# Altium PCB Prototipo1A.PcbDoc (part 2 of 2)
Units mm, origin at the board's own origin, x right, y up, seen from the top; angles counter-clockwise.
Board outline 128.52 x 74.33 mm, 2 copper layers (Top Layer, Bottom Layer); 128 components, 155 nets, 643 pads, 81 vias.
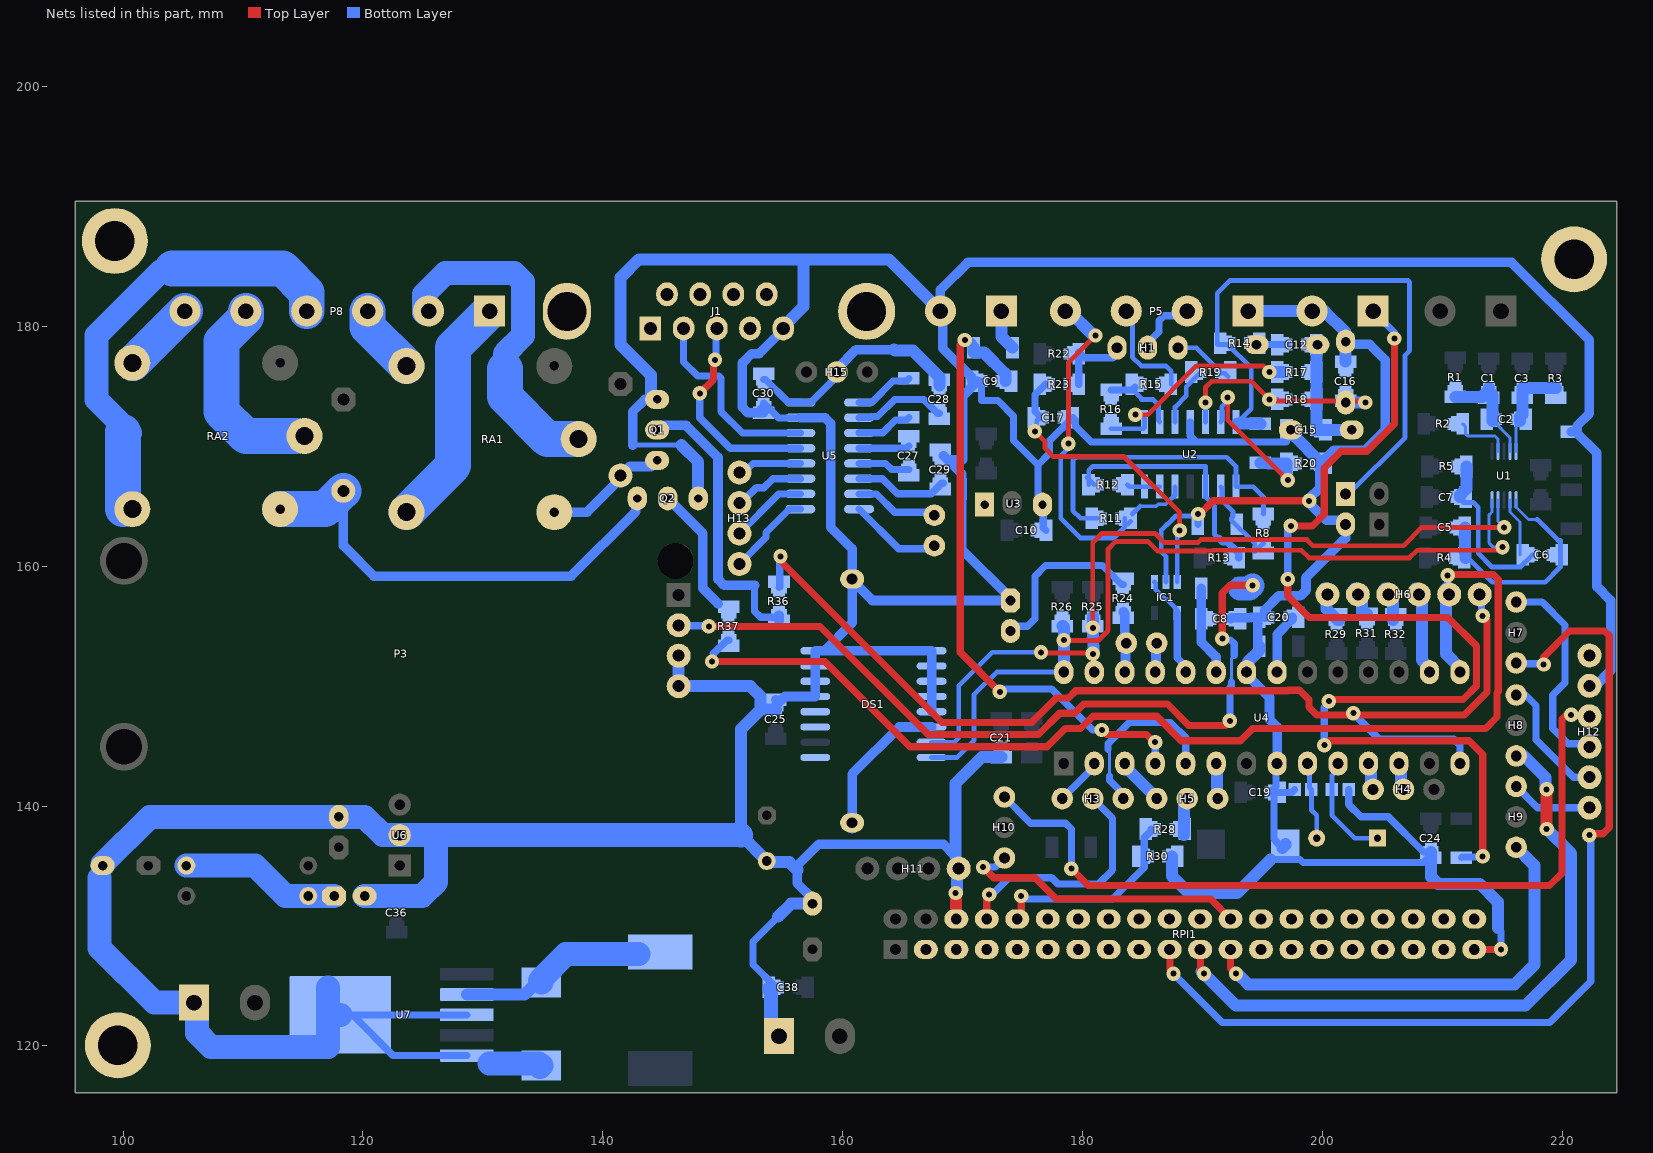
[diagram p2: the nets of this part, all layers, seen from the top]

## Via types
v1: diameter 1.2, hole 0.5, Top Layer to Bottom Layer, 81 vias

## Nets (pads, with @x,y where several pads share a name; then routed paths per layer and width w, separated by ;. In a path a pad name is that pad's centre, name@x,y a point inside that pad or via, vN(x,y) a via of type N, cw(c..) or ccw(c..) an arc to the next point about the centre after c; other vN are vias at no path point) (continued)
GND: C8.1 C9.1 C10.1 C13.2 C14.2 C15.1 C16.1 C17.1 C18.1 C19.2 C20.2 C21.1 C22.1 C23.1 C24.1 C25.1 C29.2 C30.2 C31.2 C33.2 C34.2 C35.2 C36.1@122.809,131.924 C36.1@122.809,132.249 C36.1@122.809,132.724 C36.2@153.67,135.417 C37.2 C38.1 D1.1 DS1.5 DS1.6 DS1.7 DS1.8 DS1.9 DS1.10 DS1.11 DS1.12 DS1.13 H11.4 H12.2 H16.1 H17.1 IC1.2 J1.5 L2.1 LD1.2 P3.3 P3.4 P4.2 P5.1 P6.2 P7.2 PB1.2 Q1.1 Q2.1 R9.2 R20.1 R30.1 RPI1.6 RPI1.39 U2.11 U3.3 U4.8 U4.22 U5.15 U6.2 U7.3 U7.5 U7.6 | length 653.8
  Top Layer w0.6: v1(189.636,164.349) 189.795,164.349 190.891,165.445 v1(198.882,165.445) ; RPI1.39@212.654,128.043 212.658,128.047 214.88,128.047 v1(214.884,128.051)
  Top Layer w1: v1(169.418,132.75) 169.446,132.722 169.446,130.611 RPI1.6@169.474,130.583
  Bottom Layer w0.4: 142.494,170.088 146.558,170.088 ; IC1.2@186.944,158.688 186.944,160.817 186.563,161.198 186.563,163.009 186.982,163.428 186.982,163.433 187.033,163.484 187.086,163.484 187.786,164.184 R9.2@189.159,164.184
  Bottom Layer w0.6: U7.6@118.11,122.59 U7.6@119.135,122.59 ; U7.5@128.66,119.19 122.535,119.19 U7.6@119.135,122.59 ; U7.3@128.66,122.59 U7.6@119.135,122.59 ; C30.2@153.416,173.581 153.441,173.581 154.667,172.355 156.445,172.355 U5.15@156.464,172.374 ; C38.1@154.298,124.502 154.298,121.2 H17.1@154.686,120.812 ; C38.1@154.298,124.876 154.298,125.026 152.527,126.797 152.527,128.687 154.61,130.77 ; C9.1@171.578,175.422 171.578,173.802 172.943,173.802 174.244,172.501 174.244,170.469 176.276,168.437 ; C10.1@176.948,162.976 176.723,163.201 176.723,164.217 176.276,164.664 176.276,168.437 ; C17.1@179.171,172.374 177.228,170.432 177.228,169.39 176.276,168.437 ; C17.1@179.204,172.374 179.404,172.174 179.404,171.659 180.721,170.342 189.485,170.342 ; U2.11@188.976,172.026 188.976,170.851 189.485,170.342 ; R9.2@189.611,163.484 189.611,164.324 v1(189.636,164.349) ; C19.2@195.643,141.132 195.643,141.157 196.131,141.645 196.131,143.461 U4.8@196.215,143.545 ; 195.682,135.544 198.12,135.544 198.374,135.29 208.407,135.29 208.842,135.725 208.842,135.972 C24.1@209.042,136.172 208.414,136.172 205.486,139.1 203.2,139.1 202.184,140.116 C23.1@202.184,141.386 ; C31.2@196.648,136.51 196.14,137.018 196.14,137.068 195.968,137.24 C19.2@195.968,141.132 C19.2@196.443,141.132 197.445,141.132 197.674,141.361 C22.1@197.674,141.386 ; C13.2@197.358,171.358 C15.1@197.003,171.358 197.003,170.342 189.485,170.342 ; 214.63,129.819 214.884,129.565 v1(214.884,128.051)
  Bottom Layer w0.8: 142.494,170.088 142.494,172.882 143.51,173.898 144.488,173.898 Q1.1@144.526,173.898 ; C30.2@153.416,172.781 C30.2@152.941,172.781 ; C30.2@153.416,173.256 C30.2@152.941,172.781 ; C25.1@154.432,148.378 C25.1@154.669,148.616 ; C25.1@154.432,148.853 154.482,148.803 154.857,148.803 155.187,149.133 DS1.5@157.71,149.133 DS1.6@157.71,150.403 DS1.7@157.71,151.673 DS1.8@157.71,152.943 DS1.8@158.46,152.943 ; J1.5@155.044,179.821 155.044,179.721 153.031,177.708 152.4,177.708 151.638,176.946 151.638,173.25 152.107,172.781 C30.2@152.941,172.781 ; U5.15@156.464,172.374 158.535,172.374 159.004,171.905 159.004,163.23 160.782,161.452 PB1.2@160.782,158.92 PB1.2@160.782,158.412 ; C37.2@157.48,131.861 157.48,132.277 156.21,133.547 156.21,134.655 156.21,135.036 157.988,136.814 168.402,136.814 169.418,135.798 169.418,135.036 169.533,134.921 H11.4@169.672,134.782 ; DS1.13@167.41,147.863 167.41,148.22 167.386,148.244 167.41,148.268 DS1.12@167.41,149.133 DS1.11@167.41,150.403 DS1.10@167.41,151.673 DS1.9@167.41,152.943 DS1.8@158.46,152.943 ; C29.2@168.402,169.206 C29.2@168.727,168.881 ; C9.1@170.778,175.422 170.778,175.713 168.326,178.165 168.326,181.086 P4.2@168.148,181.264 168.148,183.042 170.434,185.328 215.773,185.328 222.25,178.851 222.25,172.729 221.226,171.705 221.226,171.33 L2.1@221.101,171.205 ; C9.1@171.253,175.422 169.989,174.158 169.989,168.881 C29.2@168.727,168.881 ; C8.1@192.341,155.61 192.341,155.635 192.416,155.71 194.016,155.71 194.043,155.737 C20.2@194.717,155.737 194.608,155.521 C18.1@194.608,153.242 ; U4.22@193.675,151.165 193.675,150.965 195.58,149.06 195.58,147.228 196.215,146.593 U4.8@196.215,143.545 ; C20.2@195.192,155.737 195.192,156.365 196.342,157.515 198.159,157.515 198.628,157.984 198.628,159.039 201.93,162.341 P6.2@201.93,163.484 201.577,163.837 200.307,163.837 198.882,165.262 v1(198.882,165.445) 198.882,165.628 199.778,166.524 R20.1@199.778,168.564 R20.1@200.253,168.564 200.253,168.989 200.928,169.664 203.538,169.664 205.232,171.358 205.232,177.2 203.93,178.502 202.152,178.502 C14.2@201.93,178.724 ; L2.1@220.726,171.205 L2.1@221.101,171.205 ; H12.2@222.25,150.022 222.758,150.022 224.028,151.292 224.028,157.134 222.869,158.293 222.869,169.437 L2.1@221.101,171.205 ; DS1.8@158.46,152.943 160.782,155.265 PB1.2@160.782,158.412 ; PB1.2@160.782,158.412 161.198,158.412 162.476,157.134 LD1.2@173.99,157.134 173.99,157.334 169.926,161.398 169.926,165.605 169.956,165.635 169.956,167.227 169.926,167.257 169.926,167.682 C29.2@168.727,168.881
  Bottom Layer w1: Q1.1@144.488,173.898 144.018,174.368 144.018,175.93 141.478,178.47 141.478,184.058 143.002,185.582 156.718,185.582 ; P3.3@146.326,152.532 P3.4@146.326,149.992 152.303,149.992 153.162,149.133 153.162,148.053 ; 146.558,170.088 147.955,168.691 Q2.1@147.955,165.643 ; C38.1@153.823,124.876 153.823,124.603 153.924,124.502 153.924,121.574 H17.1@154.298,121.2 ; C25.1@154.432,148.053 153.162,148.053 ; 154.61,130.77 155.701,131.861 C37.2@157.48,131.861 ; J1.5@155.044,179.821 155.044,179.967 156.718,181.641 156.718,185.582 ; 156.21,134.655 155.544,135.321 153.766,135.321 C36.2@153.67,135.417 151.535,137.552 151.535,146.426 153.162,148.053 ; P4.2@168.148,181.264 163.83,185.582 156.718,185.582 ; v1(169.418,132.75) 169.533,132.865 H11.4@169.533,134.921 ; 169.418,135.798 169.418,141.894 171.603,144.079 C21.1@173.228,144.079 ; R30.1@187.433,135.798 187.433,134.166 188.849,132.75 192.888,132.75 195.682,135.544 ; U4.22@193.675,151.165 193.79,151.28 193.79,152.022 194.717,152.949 C18.1@194.717,153.324 ; P5.1@193.802,181.264 P7.2@199.136,181.264 200.152,181.264 201.93,179.486 C14.2@201.93,178.724 C16.1@201.93,177.047 ; C31.2@196.648,136.51 196.902,136.764 C31.2@196.902,136.814 ; C13.2@197.358,171.358 197.396,171.358 197.673,171.081 197.673,170.819 199.778,168.714 R20.1@199.778,168.564 ; C24.1@209.042,136.172 C24.1@209.042,135.697 209.042,134.098 209.628,133.512 213.106,133.512 214.63,131.988 214.63,129.819
  Bottom Layer w2: 98.044,134.02 98.044,128.178 102.616,123.606 H16.1@105.918,123.606 106.168,123.356 106.168,121.095 107.34,119.923 117.085,119.923 U7.6@117.085,122.59 ; C35.2@98.298,135.036 98.298,135.163 102.235,139.1 C34.2@117.983,139.1 120.142,139.1 121.666,137.576 U6.2@123.063,137.576 126.111,137.576 ; U7.6@117.085,124.876 U7.6@117.085,122.59 ; U7.6@118.11,122.59 U7.6@117.085,122.59 ; C33.2@120.142,132.496 124.939,132.496 126.111,133.668 126.111,137.576 ; 130.556,118.526 D1.1@134.62,118.526 ; D1.1@134.747,118.251 D1.1@134.874,118.378 ; 151.535,137.552 151.511,137.576 126.111,137.576
LM2596_OUT: D1.2 L4.1 U7.2 | length 15.8
  Bottom Layer w1: U7.2@128.66,124.29 133.486,124.29 134.474,125.278 D1.2@134.874,125.278
  Bottom Layer w2: D1.2@134.747,125.405 D1.2@134.874,125.278 ; D1.2@134.874,125.603 136.941,127.67 L4.1@142.978,127.67
NetC1_2: C1.2 C2.2 R1.1 U1.4 | length 9.1
  Bottom Layer w0.254: C2.2@214.179,172.12 214.229,172.12 215.638,170.711 U1.4@215.638,169.573
  Bottom Layer w1: R1.1@211.074,174.114 213.282,174.114 C1.2@213.868,174.7 ; C1.2@213.868,174.851 C1.2@213.868,174.7 ; C2.2@214.179,172.12 C2.2@214.179,172.247 214.179,174.27 213.868,174.581 C1.2@213.868,174.7
NetC2_1: C2.1 C3.1 R3.1 U1.5 | length 8.3
  Bottom Layer w0.254: U1.5@216.138,169.573 216.138,171.779 C2.1@216.479,172.12
  Bottom Layer w1: C2.1@216.479,172.12 216.479,172.445 216.662,172.628 C3.1@216.662,174.051 C3.1@216.662,174.526 C3.1@216.662,174.851 R3.1@219.456,174.851
NetC5_2: C5.2 C6.2 R4.1 U1.6 | length 19.5
  Bottom Layer w0.254: U1.6@216.138,165.523 216.138,164.927 217.17,163.895 217.893,163.895
  Bottom Layer w0.4: R4.1@211.937,160.69 212.114,160.69 214.154,158.65 218.559,158.65 219.837,159.928 219.837,162.15 219.638,162.15 217.893,163.895
  Bottom Layer w1: C5.2@211.874,163.222 211.874,161.128 211.937,161.065 R4.1@211.937,160.69
NetC6_1: C6.1 C7.1 R5.1 U1.7 | length 18.9
  Bottom Layer w0.254: U1.7@215.638,165.523 215.638,164.508 216.466,163.68 C6.1@216.466,160.944
  Bottom Layer w0.4: C7.1@211.462,165.762 211.462,165.612 211.762,165.312 212.565,165.312 212.979,164.898 212.979,161.076 214.127,159.928 216.504,159.928 217.495,160.919 C6.1@217.495,160.944
  Bottom Layer w1: C7.1@211.462,165.762 211.462,165.912 212,166.45 R5.1@212,168.31
NetC11_1: C11.1 C12.2 R14.1 | length 2.6
  Bottom Layer w0.6: C11.1@194.474,178.47 C12.2@196.241,178.47 C12.2@196.716,178.47 C12.2@197.041,178.47
NetC11_2: C11.2 C12.1 C13.1 C15.2 R17.2 R18.1 | length 10.1
  Bottom Layer w1: C15.2@199.453,171.358 C15.2@199.491,171.358 ; C12.1@199.491,178.47 R17.2@199.491,176.184 R18.1@199.491,173.898 C15.2@199.491,171.358 ; C13.1@202.438,171.358 C15.2@200.253,171.358 C15.2@199.778,171.358 C15.2@199.491,171.358
NetC14_1: C14.1 C16.2 R18.2 U2.12 | length 19.5
  Top Layer w0.4: v1(190.246,173.644) 190.246,174.914 190.754,175.422 194.042,175.422 v1(195.566,173.898) 195.693,173.771 203.454,173.771 v1(203.581,173.644)
  Bottom Layer w0.4: U2.12@190.246,172.026 v1(190.246,173.644) ; v1(195.566,173.898) R18.2@196.241,173.898
  Bottom Layer w1: C14.1@201.93,173.644 v1(203.581,173.644)
NetC17_2: C17.2 IC1.3 R23.1 | length 25.7
  Top Layer w0.4: v1(176.022,171.231) 176.872,170.381 176.872,169.834 177.57,169.137 183.45,169.137 188.087,164.5 v1(188.087,162.976)
  Bottom Layer w0.4: v1(176.022,171.231) 176.175,171.384 176.175,172.153 C17.2@176.396,172.374 ; IC1.3@187.894,158.688 187.894,162.567 188.087,162.76 v1(188.087,162.976)
  Bottom Layer w0.6: C17.2@176.396,172.374 176.396,172.524 176.022,172.898 176.022,174.286 R23.1@176.904,175.168
NetC20_1: C20.1 U4.21 | length 5.1
  Bottom Layer w0.8: U4.21@196.215,151.165 196.215,154.31 197.392,155.487 197.492,155.587 C20.1@197.492,155.737
NetC22_2: C22.2 U4.9 Y1.2 | length 6.5
  Bottom Layer w0.4: U4.9@198.755,143.545 198.914,143.386 198.914,141.546 C22.2@199.074,141.386 199.074,139.67 199.517,139.227 Y1.2@199.517,137.322
NetC23_2: C23.2 U4.10 Y1.1 | length 9.1
  Bottom Layer w0.4: U4.10@201.295,143.545 201.295,143.047 200.784,142.536 C23.2@200.784,141.386 200.784,139.23 202.692,137.322 Y1.1@204.597,137.322
NetC26_1: C26.1 U5.1 | length 5
  Bottom Layer w0.6: U5.1@161.364,173.644 162.414,173.644 164.195,175.425 165.293,175.425 C26.1@165.518,175.65
NetC26_2: C26.2 U5.3 | length 4.7
  Bottom Layer w0.6: U5.3@161.364,171.104 161.383,171.123 163.341,171.123 164.393,172.175 165.293,172.175 C26.2@165.518,172.4
NetC27_1: C27.1 U5.4 | length 4.2
  Bottom Layer w0.6: U5.4@161.364,169.834 165.303,169.834 165.493,170.024 C27.1@165.518,170.024
NetC27_2: C27.2 U5.5 | length 4.4
  Bottom Layer w0.6: U5.5@161.364,168.564 163.576,168.564 164.084,168.056 165.511,168.056 C27.2@165.518,168.049
NetC28_1: C28.1 U5.2 | length 7.8
  Bottom Layer w0.6: U5.2@161.364,172.374 161.383,172.393 162.354,172.393 162.427,172.466 162.906,172.466 164.338,173.898 166.765,173.898 167.908,172.755 C28.1@168.058,172.755
NetC28_2: C28.2 C30.1 H15.2 U5.16 | length 19.3
  Bottom Layer w0.6: C30.1@153.416,175.556 153.566,175.556 155.459,173.663 156.445,173.663 U5.16@156.464,173.644 157.337,173.644 159.512,175.819 H15.2@159.512,176.184
  Bottom Layer w0.8: H15.2@159.512,176.438 161.12,178.046 164.264,178.046
  Bottom Layer w1: H15.2@159.512,176.184 H15.2@159.512,176.438 ; 164.264,178.046 164.348,177.962 165.862,177.962 168.058,175.766 C28.2@168.058,175.53 C28.2@168.058,175.055
NetC29_1: C29.1 U5.6 | length 7.9
  Bottom Layer w0.6: U5.6@161.364,167.294 163.322,167.294 164.576,166.04 167.386,166.04 168.252,166.906 C29.1@168.402,166.906
NetC33_1: C33.1 R34.2 R35.1 | length 13.4
  Bottom Layer w2: R35.1@105.283,135.036 110.998,135.036 113.538,132.496 R34.2@115.443,132.496 C33.1@117.602,132.496
NetD3_1: D3.1 Q1.3 RA1.2 | length 10.4
  Bottom Layer w0.8: RA1.2@135.953,164.5 138.684,164.5 141.224,167.04 D3.1@141.224,167.548 ; D3.1@141.478,167.548 142.24,168.31 144.018,168.31 Q1.3@144.526,168.818
NetD4_1: D4.1 Q2.3 RA2.2 | length 38.3
  Bottom Layer w0.8: D4.1@118.364,166.278 118.364,161.706 120.904,159.166 137.36,159.166 142.748,164.554 Q2.3@142.748,164.754
  Bottom Layer w3: RA2.2@113.093,164.754 116.84,164.754 D4.1@118.364,166.278
NetDS1_1: DS1.1
NetDS1_3: DS1.3
NetDS1_4: DS1.4
NetH1_2: H1.2 P5.2 | length 5.3
  Bottom Layer w0.6: H1.2@185.42,178.216 185.42,178.595 186.363,179.538 186.363,180.457 186.787,180.881 188.339,180.881 P5.2@188.722,181.264
NetH2_1: H2.1 R24.1 U4.26 | length 5.2
  Bottom Layer w0.8: R24.1@183.388,156.175 183.415,156.175 183.515,156.075 183.515,155.7 183.515,153.705 H2.1@183.642,153.578 183.578,153.515 183.578,151.229 U4.26@183.515,151.165
NetH2_2: H2.2 U4.25 | length 2.5
  Bottom Layer w0.8: U4.25@186.055,151.165 186.118,151.229 186.118,153.515 H2.2@186.182,153.578
NetH4_1: H4.1 U4.11 | length 4.4
  Bottom Layer w0.6: U4.11@203.835,143.545 204.025,143.355 204.025,141.577 H4.1@204.216,141.386
  Bottom Layer w1: U4.11@203.835,143.545 203.835,143.183 204.025,142.993 H4.1@204.025,141.577
NetH4_2: H4.2 U4.12 | length 2.3
  Bottom Layer w1: U4.12@206.375,143.545 206.375,143.183 206.565,142.993 206.565,141.577 H4.2@206.756,141.386
NetH5_2: H5.2 R28.2 | length 3.1
  Bottom Layer w1: R28.2@188.468,137.595 188.468,140.099 188.722,140.353 H5.2@188.722,140.624
NetH6_3: H6.3 U4.16 | length 7.5
  Bottom Layer w1: H6.3@207.772,158.15 208.28,157.642 208.28,152.162 208.915,151.527 U4.16@208.915,151.165
NetH6_4: H6.4 R32.1 | length 2.9
  Bottom Layer w1: H6.4@205.232,158.15 205.232,157.879 205.867,157.244 205.867,155.965 R32.1@205.867,155.49
NetH6_5: H6.5 R31.1 | length 2.8
  Bottom Layer w1: H6.5@202.692,158.15 202.692,157.879 203.308,157.263 203.308,156.053 203.333,156.028 R31.1@203.708,156.028
NetH6_6: H6.6 R29.1 | length 3.3
  Bottom Layer w1: H6.6@200.152,158.15 200.343,157.959 200.343,156.419 201.272,155.49 R29.1@201.422,155.49
NetH12_1: H12.1
NetJ1_1: J1.1
NetJ1_4: J1.4
NetJ1_6: J1.6
NetJ1_7: J1.7
NetJ1_8: J1.8
NetJ1_9: J1.9
NetJ1_10: J1.10
NetJ1_11: J1.11
NetLD1_1: LD1.1 R24.2 | length 14.8
  Bottom Layer w0.6: LD1.1@173.99,154.594 174.381,154.985 175.397,154.985 176.022,155.61 176.022,159.166 176.911,160.055 181.658,160.055 183.238,158.475 R24.2@183.388,158.475
  Bottom Layer w1: LD1.1@173.99,154.594 173.99,154.632 LD1.1@174.267,154.909
NetMH1_1: MH1.1
NetMH2_1: MH2.1
NetMH3_1: MH3.1
NetP3_2: P3.2 R6.2 | length 67.2
  Top Layer w0.6: v1(148.844,154.975) 158.115,154.975 167.132,145.958 176.322,145.958 178.1,147.736 179.324,147.736 180.086,148.498 187.071,148.498 188.849,146.72 191.897,146.72 v1(192.278,147.101) ; v1(191.643,153.959) 191.643,157.769 192.278,158.404 v1(194.183,158.404)
  Bottom Layer w0.254: 192.405,150.32 192.405,152.308 192.64,152.543 ; R6.2@193.395,158.404 v1(194.183,158.404)
  Bottom Layer w0.6: P3.2@146.326,155.072 146.374,155.023 148.795,155.023 v1(148.844,154.975) ; v1(192.278,147.101) 192.278,149.895 192.405,150.022 192.405,150.32 ; 192.336,153.844 192.64,153.54 192.64,152.543
  Bottom Layer w2: R6.2@193.141,158.15 193.929,158.15 v1(194.183,158.404)
NetP4_1: P4.1 R7.2 | length 3.4
  Bottom Layer w1: P4.1@173.228,181.264 173.228,179.142 R7.2@174.154,178.216
NetP5_3: P5.3 R15.1 | length 8.9
  Bottom Layer w0.4: P5.3@183.642,181.264 184.15,180.756 184.15,177.43 184.888,176.692 186.944,176.692 187.395,176.241 R15.1@187.395,175.168
NetP5_4: P5.4 R11.1 U2.5 | length 32.5
  Top Layer w0.4: v1(178.816,170.215) 178.816,176.974 v1(181.072,179.23)
  Bottom Layer w0.3: 184.811,165.008 186.144,165.008 186.308,165.172 186.924,165.172 U2.5@187.414,165.662
  Bottom Layer w0.4: v1(178.816,170.215) v1@178.816,169.834 ; v1@179.07,170.088 v1@178.816,169.834 ; R11.1@183.522,163.992 183.522,163.263 182.6,162.341 179.832,162.341 178.181,163.992 178.181,169.199 v1@178.816,169.834 ; R11.1@183.76,163.501 R11.1@183.997,163.738 ; R11.1@184.15,164.347 184.811,165.008 ; U2.5@187.414,165.662 187.442,165.662 187.706,165.926 U2.5@187.706,166.626
  Bottom Layer w1: P5.4@178.562,181.264 178.876,181.264 180.91,179.23 v1(181.072,179.23)
NetP7_1: P7.1 R33.2 | length 92.1
  Top Layer w0.6: v1(197.104,158.912) 197.104,157.515 198.891,155.728 210.448,155.728 212.852,153.324 212.852,150.022 211.72,148.89 200.671,148.89 v1(200.533,148.752) ; v1(197.358,163.357) 199.164,163.357 200.152,164.345 200.152,168.183 201.549,169.58 203.708,169.58 205.994,171.866 v1(205.994,178.978) ; v1(200.152,145.069) 200.533,145.45 212.217,145.45 213.36,144.307 v1(213.36,135.798)
  Bottom Layer w0.6: v1(197.104,158.912) 197.104,163.103 v1(197.358,163.357) ; v1(200.152,145.069) 200.152,148.209 200.533,148.59 v1(200.533,148.752) ; P7.1@204.216,181.264 205.994,179.486 v1(205.994,178.978) ; R33.2@211.582,135.697 211.632,135.748 213.309,135.748 v1(213.36,135.798)
NetP8_1: P8.1 RA1.3 | length 19.3
  Bottom Layer w3: RA1.3@123.634,164.5 127.508,168.374 127.508,178.216 P8.1@130.302,181.01
NetP8_2: P8.2 RA1.4 | length 28.6
  Bottom Layer w2: P8.2@125.095,181.137 125.095,182.661 126.873,184.439 132.588,184.439 133.35,183.677 133.35,179.232 131.826,177.708 131.826,176.438
  Bottom Layer w3: 131.826,176.438 131.826,174.152 135.382,170.596 RA1.4@137.985,170.596
NetP8_3: P8.3 RA1.5 | length 5.9
  Bottom Layer w3: P8.3@120.396,181.264 120.396,179.931 RA1.5@123.634,176.692
NetP8_4: P8.4 RA2.3 | length 36.8
  Bottom Layer w2: 100.584,171.104 97.79,173.898 97.79,179.232 103.124,184.566
  Bottom Layer w3: RA2.3@100.012,164.754 100.012,171.168 ; 104.14,184.82 113.305,184.82 115.316,182.809 P8.4@115.316,181.264
NetP8_5: P8.5 RA2.4 | length 16.2
  Bottom Layer w3: P8.5@110.236,181.264 110.236,180.756 108.204,178.724 108.204,172.882 110.236,170.85 RA2.4@114.363,170.85
NetP8_6: P8.6 RA2.5 | length 6.1
  Bottom Layer w3: RA2.5@100.838,176.946 P8.6@105.156,181.264
NetQ1_2: Q1.2 R36.1 | length 24.7
  Bottom Layer w0.6: 152.654,158.404 152.654,156.245 153.162,155.737 154.503,155.737 R36.1@154.686,155.92
  Bottom Layer w0.8: Q1.2@144.526,171.358 144.907,171.739 146.939,171.739 149.606,169.072 149.606,158.912 150.114,158.404 152.654,158.404 ; R36.1@154.686,155.445 R36.1@154.686,155.92
NetQ2_2: Q2.2 R37.1 | length 10.7
  Bottom Layer w0.8: Q2.2@145.034,165.262 145.796,165.262 148.336,162.722 148.336,158.15 R37.1@149.606,156.88
NetR2_2: R2.2 U1.2 | length 4.9
  Bottom Layer w0.254: R2.2@211.683,171.866 211.941,171.608 211.941,170.999 212.09,170.85 214.376,170.85 214.638,170.588 U1.2@214.638,169.573
NetR8_1: R8.1 R11.2 U2.1 | length 26.3
  Bottom Layer w0.254: R8.1@194.962,164.347 R8.1@195.072,164.347
  Bottom Layer w0.4: R11.2@181.222,163.992 R11.2@180.747,163.992 179.832,163.992 179.197,164.627 179.197,168.818 179.451,169.072 192.024,169.072 192.786,168.31 U2.1@192.786,166.626 194.216,166.626 195.072,165.77 R8.1@195.072,164.347
NetR8_2: R8.2 R9.1 U2.2 | length 7.9
  Bottom Layer w0.254: R9.1@192.412,163.992 R9.1@192.412,164.142
  Bottom Layer w0.4: U2.2@191.516,166.626 191.616,166.526 191.616,165.496 192.532,164.58 192.532,164.112 192.412,163.992 192.412,163.842 194.348,161.906 194.348,161.198 195.047,161.897 R8.2@195.072,161.897
NetR12_1: R12.1 U2.6 U2.7 | length 2.8
  Bottom Layer w0.4: R12.1@183.743,166.786 183.903,166.626 U2.7@185.166,166.626 U2.6@186.436,166.626
NetR12_2: R12.2 R13.1 U2.3 | length 21
  Bottom Layer w0.4: R12.2@180.34,167.414 R12.2@180.518,167.236 ; R12.2@180.518,166.786 R12.2@180.518,167.236 ; R12.2@180.968,166.786 R12.2@180.518,167.236 ; 191.292,162.351 191.008,162.635 191.008,165.008 190.246,165.77 U2.3@190.246,166.626 190.246,168.31 180.848,168.31 180.518,167.98 R12.2@180.518,167.236
  Bottom Layer w0.6: 191.292,162.351 191.341,162.351 191.662,162.03 192.049,162.03 192.801,161.278 193.014,161.065 R13.1@193.014,160.69
NetR15_2: R15.2 R16.1 U2.9 | length 6.4
  Bottom Layer w0.4: R15.2@184.366,174.914 184.366,174.539 184.892,174.013 184.892,173.898 185.857,173.898 186.336,173.419 186.336,172.126 U2.9@186.436,172.026
  Bottom Layer w0.6: R16.1@182.372,174.698 184.15,174.698 R15.2@184.366,174.914
NetR16_2: R16.2 R17.1 U2.8 | length 18.8
  Top Layer w0.4: v1(184.404,172.628) 185.42,172.628 189.484,176.692 195.058,176.692 v1(195.566,176.184)
  Bottom Layer w0.4: R16.2@182.372,171.448 185.066,171.448 185.166,171.548 U2.8@185.166,172.026 185.166,172.528 185.066,172.628 v1(184.404,172.628)
  Bottom Layer w1: v1(195.566,176.184) R17.1@196.241,176.184 R17.1@196.716,176.184
NetR19_2: R19.2 U2.10 | length 5.1
  Bottom Layer w0.4: U2.10@187.706,172.026 187.706,173.263 188.637,174.194 188.637,174.956 R19.2@189.865,176.184
NetR20_2: R20.2 R21.1 U2.13 | length 14.9
  Top Layer w0.4: v1(192.1,174.08) 192.1,172.171 v1(197.104,167.167)
  Bottom Layer w0.4: U2.13@191.516,172.026 191.616,172.126 191.616,173.271 192.1,173.755 v1(192.1,174.08)
  Bottom Layer w1: R21.1@194.818,168.616 194.843,168.591 195.451,168.591 195.478,168.564 R20.2@197.003,168.564 197.003,167.268 v1(197.104,167.167)
NetRPI1_3: RPI1.3
NetRPI1_5: RPI1.5
NetRPI1_7: RPI1.7
NetRPI1_9: RPI1.9
NetRPI1_11: RPI1.11
NetRPI1_12: RPI1.12
NetRPI1_13: RPI1.13
NetRPI1_14: RPI1.14
NetRPI1_15: RPI1.15
NetRPI1_16: RPI1.16
NetRPI1_17: RPI1.17
NetRPI1_18: RPI1.18
NetRPI1_20: RPI1.20
NetRPI1_22: RPI1.22
NetRPI1_25: RPI1.25
NetRPI1_26: RPI1.26
NetRPI1_27: RPI1.27
NetRPI1_28: RPI1.28
NetRPI1_29: RPI1.29
NetRPI1_30: RPI1.30
NetRPI1_31: RPI1.31
NetRPI1_32: RPI1.32
NetRPI1_33: RPI1.33
NetRPI1_34: RPI1.34
NetRPI1_35: RPI1.35
NetRPI1_36: RPI1.36
NetRPI1_37: RPI1.37
NetRPI1_38: RPI1.38
NetRPI1_40: RPI1.40
NetU3_1: U3.1
PT100-2W-SIMPLE: H1.3 R22.1 R23.2 | length 6.7
  Bottom Layer w0.6: R23.2@179.679,175.168 R22.1@179.679,177.708 179.679,177.851 180.16,177.37 182.542,177.37 182.88,177.708 H1.3@182.88,178.216
PT100-PRECISION: H1.1 R19.1 | length 5.2
  Bottom Layer w0.4: H1.1@187.96,178.216 189.484,178.216 191.614,176.086 191.868,176.086 R19.1@192.145,175.809
PT100_AN_READ: IC1.1 IC1.4 U4.24 | length 8.7
  Bottom Layer w0.4: IC1.1@185.994,158.688 186.094,158.588 186.094,158.021 186.873,157.242 187.015,157.242 187.894,156.363 IC1.4@187.894,156.088
  Bottom Layer w0.6: IC1.4@187.894,156.088 187.894,152.337 188.595,151.636 U4.24@188.595,151.165
RELAY1: H6.1 R36.2 U4.14 | length 90.9
  Top Layer w0.6: v1(154.813,160.817) 154.813,160.436 168.275,146.974 175.768,146.974 177.8,149.006 178.816,149.006 179.421,149.611 197.093,149.611 197.134,149.652 198.09,149.652 198.882,148.86 198.882,148.244 199.528,147.598 211.825,147.598 213.706,149.479 213.706,155.518 v1(213.36,155.864)
  Bottom Layer w0.6: R36.2@154.686,158.22 154.749,158.284 154.749,160.754 v1(154.813,160.817) ; v1(202.565,147.736) 204.724,145.577 210.947,145.577 211.455,145.069 U4.14@211.455,143.545 U4.14@211.646,143.736 ; H6.1@212.852,158.15 H6.1@212.955,158.047 ; H6.1@213.106,157.642 213.245,157.503 213.245,155.979 v1(213.36,155.864)
RELAY2: H6.2 R37.2 U4.15 | length 98.7
  Top Layer w0.6: v1(149.098,152.054) 158.496,152.054 165.608,144.942 177.038,144.942 178.562,146.466 179.832,146.466 180.859,147.493 184.477,147.493 184.488,147.482 186.182,147.482 188.214,145.45 193.167,145.45 194.183,146.466 213.614,146.466 214.56,147.412 214.56,149.444 214.66,149.544 214.66,158.882 214.249,159.293 210.371,159.293 v1(210.439,159.225)
  Bottom Layer w0.6: v1(149.098,152.054) 149.213,152.169 149.213,152.693 150.345,153.825 R37.2@150.495,153.825 ; v1(210.439,159.225) 210.439,157.769 H6.2@210.566,157.642
  Bottom Layer w1: H6.2@210.312,158.15 210.312,152.67 211.455,151.527 U4.15@211.455,151.165
RPI_MISO: H8.1 RPI1.21 | length 55
  Top Layer w0.6: RPI1.21@189.794,128.043 189.83,128.008 189.83,126.308 v1(190.119,126.019)
  Top Layer w1: v1(218.694,138.084) v1(218.694,141.386)
  Bottom Layer w1: v1@189.928,126.21 v1(190.119,126.019) 192.786,123.352 216.916,123.352 220.726,127.162 220.726,136.052 v1(218.694,138.084) ; H8.1@216.154,144.18 216.789,144.18 218.579,142.39 218.579,141.501 v1(218.694,141.386)
RPI_MOSI: H7.1 RPI1.19 | length 79.7
  Top Layer w0.6: RPI1.19@187.254,128.043 187.29,128.008 187.29,126.308 v1(187.579,126.019) ; v1(218.44,151.8) 218.44,152.435 220.604,154.599 223.518,154.599 223.901,154.216 223.901,138.211 223.381,137.691 222.365,137.691 v1(222.25,137.576)
  Bottom Layer w0.6: v1(187.579,126.019) 191.643,121.955 218.948,121.955 222.365,125.372 222.365,137.461 v1(222.25,137.576) ; H7.1@216.154,151.927 216.217,151.864 218.376,151.864 v1(218.44,151.8)
RPI_RESET: H10.1 RPI1.24 | length 24.5
  Top Layer w0.6: v1(171.704,134.909) 172.593,134.02 176.022,134.02 177.8,132.242 190.675,132.242 RPI1.24@192.334,130.583
  Bottom Layer w0.6: v1(171.704,134.909) 172.72,134.909 H10.1@173.482,135.671
RPI_RXD: H3.2 RPI1.8 | length 20.3
  Top Layer w0.6: RPI1.8@172.014,130.583 172.014,132.263 172.212,132.461 v1(172.212,132.623)
  Bottom Layer w0.6: v1@172.339,132.496 173.863,134.02 177.419,134.02 177.927,133.512 181.356,133.512 182.499,134.655 182.499,138.973 H3.2@180.848,140.624
RPI_SCLK: H9.1 RPI1.23 | length 39.2
  Top Layer w0.6: RPI1.23@192.334,128.043 192.334,126.471 v1(192.786,126.019)
  Bottom Layer w0.6: RPI1.23@192.334,128.043 RPI1.23@192.786,127.591
  Bottom Layer w1: v1(192.786,126.019) 192.913,126.019 193.802,125.13 216.027,125.13 217.678,126.781 217.678,135.036 H9.1@216.154,136.56
RPI_TXD: R28.1 R30.2 RPI1.10 | length 16.8
  Top Layer w0.6: RPI1.10@174.554,130.583 174.879,130.908 v1(174.879,132.496)
  Bottom Layer w0.6: v1@174.752,132.623 v1(174.879,132.496) ; v1@175.133,132.242 182.499,132.242 185.133,134.876 R30.2@185.133,135.798 185.133,137.348 185.519,137.734 185.531,137.734 185.731,137.934 R28.1@185.731,138.084
RPM_SENSOR: C9.2 R7.1 U4.4 | length 53.1
  Top Layer w0.6: v1(170.18,178.851) 169.799,178.47 169.799,152.816 v1(173.101,149.514) ; v1(181.61,146.339) 181.991,145.958 185.331,145.958 185.966,145.323 v1(186.055,145.323)
  Bottom Layer w0.6: v1(170.18,178.851) 170.215,178.816 170.679,178.816 170.904,178.591 R7.1@170.904,178.216 ; v1(173.101,149.514) 173.355,149.768 177.419,149.768 180.848,146.339 v1(181.61,146.339) ; U4.4@186.055,143.545 v1(186.055,145.323)
  Bottom Layer w1: R7.1@170.904,178.216 170.904,177.841 170.929,177.816 171.779,177.816 173.553,176.042 C9.2@173.553,175.422
RS232-RXD1: J1.3 U5.13 | length 17.5
  Top Layer w0.6: v1(148.082,174.406) 149.225,175.549 149.225,177.073 v1(149.352,177.2)
  Bottom Layer w0.6: v1(148.082,174.406) 148.082,172.374 150.622,169.834 U5.13@156.464,169.834 ; v1(149.352,177.2) 149.428,177.276 149.428,179.745 J1.3@149.504,179.821
RS232-RXD2: H14.1 U5.8 | length 7.7
  Bottom Layer w0.6: U5.8@161.364,164.754 164.666,161.452 167.386,161.452 H14.1@167.64,161.198
RS232-TXD1: J1.2 U5.14 | length 16.6
  Bottom Layer w0.6: J1.2@146.734,179.821 146.734,177.024 147.912,175.846 149.69,175.846 149.86,175.676 149.86,172.882 151.638,171.104 U5.14@156.464,171.104
RS232-TXD2: H14.2 U5.7 | length 7.2
  Bottom Layer w0.6: U5.7@161.364,166.024 162.814,166.024 164.338,164.5 166.878,164.5 H14.2@167.64,163.738
RXD_HARDWARE: H3.1 U4.2 | length 4
  Bottom Layer w0.6: H3.1@178.308,140.624 178.308,140.628 180.975,143.295 U4.2@180.975,143.545
RXD_SOFTSERIAL_5V: H3.3 U4.5 | length 15
  Bottom Layer w0.254: 182.13,144.711 182.245,144.596 182.245,142.494
  Bottom Layer w0.6: 182.13,144.711 182.13,145.208 183.896,146.974 187.325,146.974 188.595,145.704 U4.5@188.595,143.545 ; 182.245,142.494 182.245,142.146 183.388,141.003 H3.3@183.388,140.624
SCL: DS1.16 R26.1 U1.10 U4.28 | length 70.7
  Top Layer w0.4: v1(178.435,153.832) 178.473,153.794 180.335,153.794 180.373,153.832 180.411,153.794 181.285,153.794 182.118,154.627 182.118,161.419 182.761,162.062 185.445,162.062 186.239,161.268 190.824,161.268 190.881,161.325 198.247,161.325 198.882,160.69 207.25,160.69 207.885,161.325 214.757,161.325 v1(215.011,161.579)
  Bottom Layer w0.254: U1.10@214.138,165.523 214.138,164.516 213.868,164.246 213.868,161.96 214.249,161.579 v1(215.011,161.579) v1@215.011,161.071
  Bottom Layer w0.4: DS1.16@167.41,144.053 169.545,144.053 170.942,145.45 170.942,149.26 172.847,151.165 U4.28@178.435,151.165
  Bottom Layer w1: R26.1@178.308,155.001 178.346,155.001 178.435,154.913 v1(178.435,153.832) 178.435,151.292 178.371,151.229 U4.28@178.435,151.165
SDA: DS1.15 R25.1 U1.9 U4.27 | length 67.3
  Top Layer w0.4: v1(176.53,152.816) 176.593,152.753 180.784,152.753 v1(180.848,152.689) ; v1(180.848,154.848) 180.848,161.96 181.61,162.722 186.055,162.722 186.817,161.96 189.611,161.96 189.865,162.214 198.698,162.214 199.206,161.706 206.756,161.706 208.28,163.23 v1(215.138,163.23)
  Bottom Layer w0.254: U1.9@214.638,165.523 214.638,163.73 v1(215.138,163.23)
  Bottom Layer w0.4: DS1.15@167.41,145.323 169.291,145.323 169.672,145.704 169.672,150.022 172.466,152.816 v1(176.53,152.816)
  Bottom Layer w1: 180.848,153.728 v1(180.848,154.848) R25.1@180.848,155.001 R25.1@180.848,155.476 R25.1@180.848,155.801 ; v1@180.911,152.689 180.911,153.324
temp_out_filtered: P6.1 R14.2 R21.2 U2.14 | length 50.9
  Bottom Layer w0.4: 193.216,172.296 194.056,173.136 194.056,176.525 192.111,178.47 191.224,178.47 191.224,178.597 191.224,182.75 192.278,183.804 207.137,183.804 207.264,183.677 207.264,177.962 206.883,177.581 206.883,170.723 202.184,166.024 P6.1@201.93,166.024
  Bottom Layer w1: U2.14@192.921,171.891 194.793,171.891 R21.2@194.818,171.866
TTL_RXD1: H13.4 U5.12 | length 5.4
  Bottom Layer w0.6: H13.4@151.384,167.802 151.763,167.802 152.525,168.564 U5.12@156.464,168.564
TTL_RXD2: H13.1 U5.9 | length 7.2
  Bottom Layer w0.6: H13.1@151.384,160.182 153.608,162.406 153.608,162.798 155.564,164.754 U5.9@156.464,164.754
TTL_TXD1: H13.3 U5.11 | length 5.9
  Bottom Layer w0.6: H13.3@151.384,165.262 151.531,165.262 152.801,166.532 153.416,166.532 154.178,167.294 U5.11@156.464,167.294
TTL_TXD2: H13.2 U5.10 | length 6.4
  Bottom Layer w0.6: H13.2@151.384,162.722 154.667,166.005 156.445,166.005 U5.10@156.464,166.024
TXD_HARDWARE: H5.1 U4.3 | length 4
  Bottom Layer w1: U4.3@183.515,143.545 183.515,143.318 186.182,140.651 H5.1@186.182,140.624
TXD_SOFTSERIAL_5V: H5.3 U4.6 | length 3
  Bottom Layer w1: U4.6@191.135,143.545 191.198,143.482 191.198,140.688 H5.3@191.262,140.624
USBASP_MISO: H8.3 H12.5 | length 10.6
  Bottom Layer w0.6: H8.3@216.154,149.26 216.916,149.26 217.805,148.371 217.805,145.52 220.923,142.402 H12.5@222.25,142.402
USBASP_MOSI: H7.3 H12.4 | length 16.6
  Bottom Layer w0.6: H7.3@217.043,157.007 218.313,157.007 220.218,155.102 220.218,150.276 219.202,149.26 219.202,146.466 220.472,145.196 H12.4@222.25,145.196
USBASP_RESET: H10.3 H12.3 | length 67.2
  Top Layer w0.6: v1(179.07,134.782) 180.478,133.374 218.937,133.374 219.964,134.401 219.964,147.228 220.345,147.609 v1(220.726,147.609)
  Bottom Layer w0.6: H10.3@173.482,140.751 175.661,138.572 178.582,138.572 179.07,138.084 v1(179.07,134.782) ; v1(220.726,147.609) 220.789,147.546 222.186,147.546 H12.3@222.25,147.482
USBASP_SCLK: H9.3 H12.6 | length 6.6
  Bottom Layer w0.6: H9.3@216.154,141.64 217.932,139.862 H12.6@221.996,139.862
Vbat: DS1.14 PB1.1 | length 12.8
  Bottom Layer w0.8: PB1.1@160.782,138.092 160.782,142.656 164.719,146.593 DS1.14@167.41,146.593
ZMPT101B_VOLT_SENSOR: C8.2 R6.1 U4.23 | length 7.5
  Bottom Layer w0.8: R6.1@189.891,158.15 C8.2@189.891,155.61 189.891,153.679 191.135,152.435 U4.23@191.135,151.165
pads on no net: P3.Hole

## Polygon pours and split planes (outlines as drawn)
+5f on Bottom Layer "+5F_L02_P004" (solid, remove dead copper, pour order 4): 141.859,189.773 211.709,189.773 223.774,177.708 222.504,176.438 222.504,131.988 141.224,131.988
GND on Bottom Layer "GND_L02_P002" (solid, remove dead copper, pour order 2): 96.774,140.878 122.174,140.878 122.174,144.688 124.714,147.228 143.764,147.228 143.764,163.738 141.224,166.278 141.224,189.138 142.494,190.408 211.074,190.408 223.774,177.708 223.774,118.018 222.504,116.748 104.394,116.748 104.394,120.558 100.584,124.368 96.774,124.368
+5RPI on Bottom Layer "+5RPI_L02_P000" (solid, remove dead copper, pour order 0): 132.588,121.828 155.702,121.828 155.956,122.082 155.956,129.194 156.21,129.448 162.306,129.448 162.56,129.702 162.56,116.748 162.814,116.494 132.588,116.494
+5f on Top Layer "+5F_L01_P008" (solid, remove dead copper, pour order 8): 143.764,189.138 217.424,189.138 217.424,181.518 223.774,181.518 223.774,129.448 143.764,129.448
GND on Top Layer "GND_L01_P006" (solid, remove dead copper, pour order 6): 96.774,142.148 141.224,142.148 141.224,190.408 209.804,190.408 223.774,176.438 223.774,119.288 221.234,116.748 96.774,116.748

## Silkscreen, mask and mechanical layers (free items; w line width, h text height)
Top Overlay:
  text "SIMPLE-PRECS." at 177.185,182.546 h1.2
  text "RELAY2" at 100.889,181.178 h3
  text "RELAY1" at 119.685,181.178 h3
  text "5V" at 152.215,172.894 h1.5
  text "3.3V" at 160.698,172.894 h1.5
  text "RPM" at 166.866,171.018 h5
  text "AC I" at 209.148,170.002 h5
  text "TEMP / PT100" at 179.01,169.748 h5
  text "RS232" at 147.677,167.716 h5
  text "TTL-RXD1" at 152.473,166.544 h1.2
  text "TOUT.F" at 191.71,165.528 h1.5
  text "AIN3+" at 206.176,165.528 h1.5
  text "BUTTON" at 208.62,165.032 h3 r90
  text "TTL-TXD1" at 152.473,164.766 h1.2
  text "TTL-TXD2" at 152.473,162.988 h1.2
  text "GND" at 194.633,162.353 h1.5
  text "AIN2+" at 206.176,161.972 h1.5
  text "TTL-RXD2" at 152.473,161.464 h1.2
  text "RXD2/TXD2" at 166.612,161.08 h1.2 r90
  text "AC V / 50-60Hz / SENSOR" at 104.519,160.927 h5 r270
  text "MOSI" at 214.872,149.938 h1.5 r90
  text "MISO" at 214.872,143.588 h1.5 r90
  text "3.3-5-5-GND" at 158.521,134.832 h2
  text "USBASP" at 223.508,127.485 h1.5 r90
  text "INPUT" at 103.144,126.112 h4
  text "GND" at 150.838,122.961 h3
  text "5V" at 157.109,122.81 h3
  text "SCK" at 219.374,121.105 h1.5 r90
  text "AXSeniors" at 168.36,120.472 h10
  text "VSWITCHING / OUTPUT 5V / RPI" at 140.683,118.544 h2
  text "GND" at 101.562,116.46 h4
  text "12v" at 109.369,116.46 h4
  text "IoT Board" at 168.868,115.138 h7
Bottom Overlay:
  text "Design by JCaf." at 142.282,148.322 h4
Bottom Solder:
  rectangle: 113.284,116.748 124.714,126.908
  rectangle: 127.254,130.411 151.258,144.688
BoardOutline:
  lines w0.254: 96.012,116.17 96.012,190.5 224.536,190.5 224.536,116.17 96.012,116.17

## Dimensions
96.012,115.789 to 96.012,190.5 on medidas
96.012,116.17 to 224.536,116.17 on medidas
224.536,116.17 to 225.844,128.17 on medidas

## Text inside footprints (layer, text, board x,y; h text height)
J1: Top Overlay "1" at 143.714,176.366 h1.5; Top Overlay "5" at 154.544,176.366 h1.5; Top Overlay "9" at 153.159,185.766 h1.5; Top Overlay "6" at 144.849,185.766 h1.5
PB1: Top Overlay "-" at 162.482,155.46 h3 r90; Top Overlay "+" at 162.282,140.66 h3 r90; Top Overlay "CR2032 3V" at 158.382,144.06 h1.52 r90
RPI1: Top Overlay "40" at 214.474,129.963 h1.27; Top Overlay "39" at 214.549,127.413 h1.27; Top Overlay "1" at 162.124,127.538 h1.27; Top Overlay "2" at 161.824,130.088 h1.27